# Altium PCB PA_8CH_CTRL.PcbDoc (part 3 of 11) (continued)
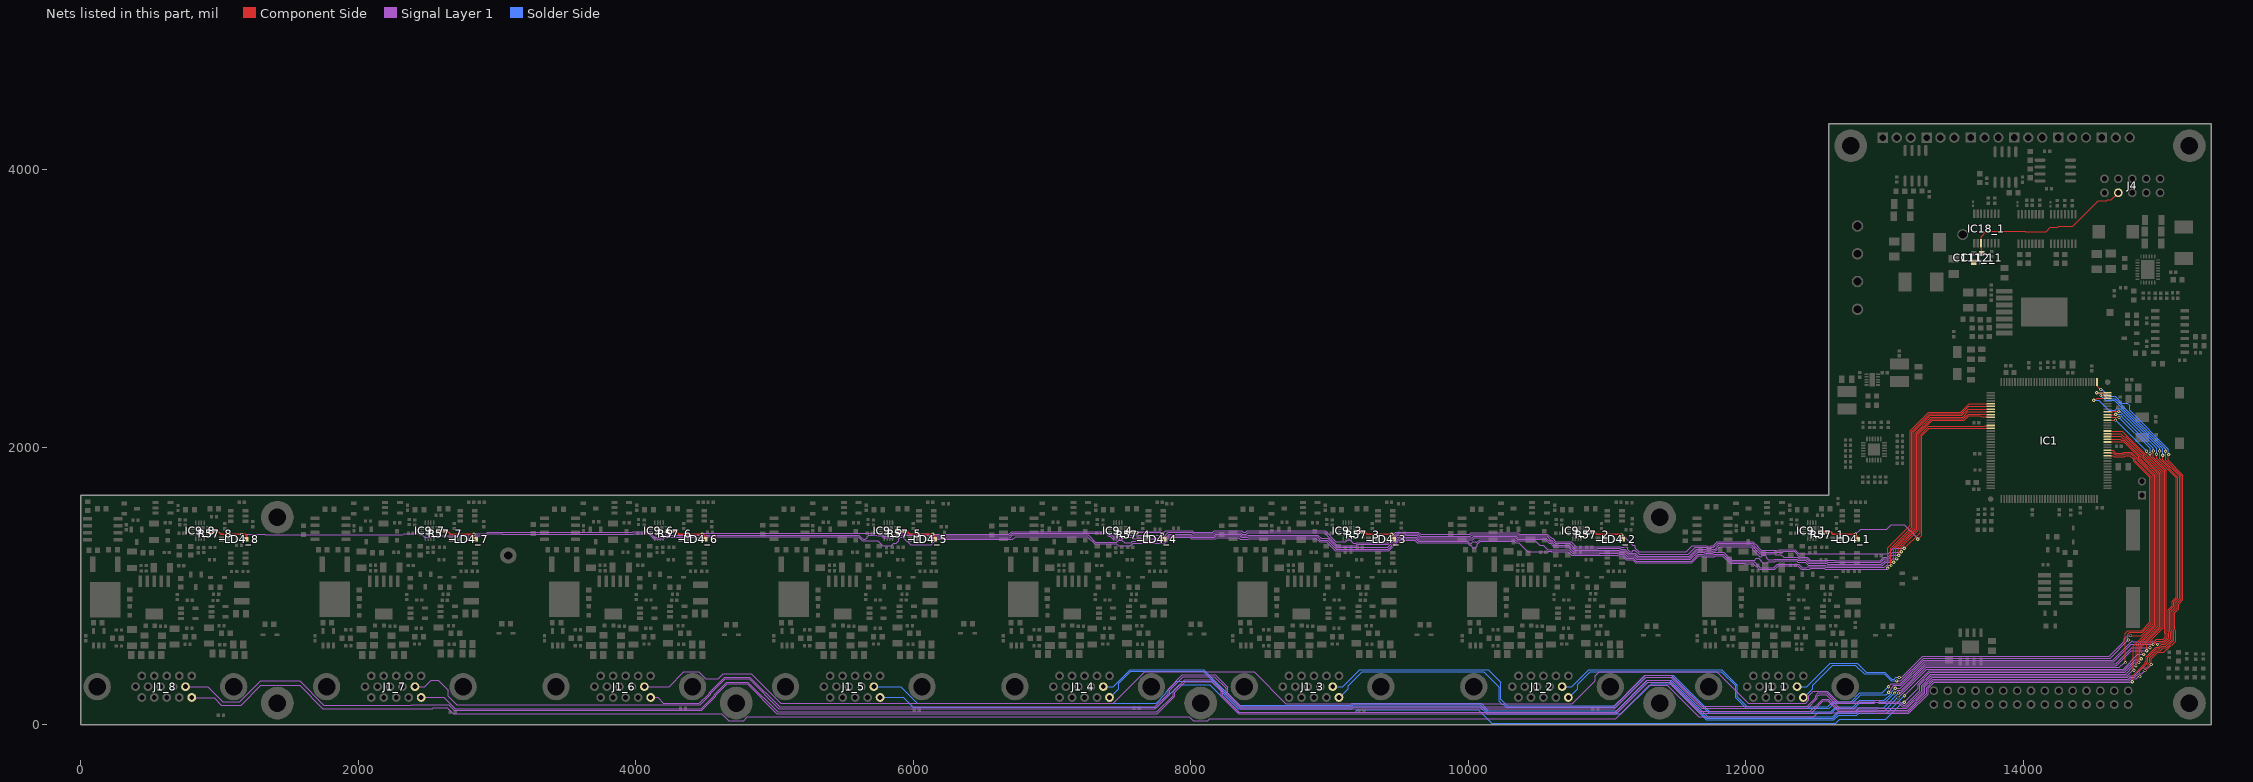
[diagram p5: the nets of this part, all layers, seen from the top]
## Part data (continued)
IC19: "3A SIMPLE SWITCHER® Power Module with 42V Maximum Input Voltage", Case=TO-PMOD-7, Manufacturer="TEXAS INSTRUMENTS", Author=GK, Bonding=No, ComponentHeight=4.67mm, Component Type=Standard, CreateDate=17.11.2016, Device=LMZ14203HTZX/NOPB, HelpURL=\\cern.ch\dfs\Applications\Altium\Datasheets\LMZ14201EXTTZE-NOPB.pdf, LatestRevisionDate=17.11.2016, Manufacturer Part Number=LMZ14203HTZX/NOPB, Mounted=Yes, PackageDescription="TO-PMOD 7 Pin Package, NATIONAL Package TZA07A, 1.70mm pitch; 9.85mm L X 10.16mm W X 4.67mm H body", Part Description="3A SIMPLE SWITCHER® Power Module with 42V Maximum Input Voltage", Part Number=LMZ14203HTZX/NOPB, Pin Count=8, PressFit=No, Sense=No, SMD=Yes, Socket=No
J1_1 J1_2 J1_3 J1_4 J1_5 J1_6 J1_7 J1_8: "Connector High Density D-sub 15 Female", Manufacturer="TYCO ELECTRONICS", Manufacturer Part Number=1932144-1, Part Number=TYCO_1932144-1, Author=GK, ComponentHeight=12.88mm, Component Type=Standard, CreateDate=17.03.2015, Family=HD-Sub, HelpURL=\\cern.ch\dfs\Applications\Altium\Datasheets\TYCO_5749768-1.pdf, LatestRevisionDate=17.03.2015, Mounted=Yes, Part Description="15 Female Contacts, Staight High Density D-SUB Connector With Boardlock and Threaded Insert (4-40 UNC), AMPLIMITE HD-22 Series", Pin Count=17, PressFit=No, Sense=No, SMD=No, Socket=No, Status=None
J2: library part 3M_N2530-6002RB, "Connector 30 Male", Manufacturer=3M, Manufacturer Part Number=N2530-6002RB, Author="CERN DEM JLC", ComponentHeight=10.03mm, Component Type=Standard, CreateDate=11.02.2009, Family="Header 30", HelpURL=\\cern.ch\dfs\Applications\Altium\Datasheets\3M_N2530-6002RB.pdf, LatestRevisionDate=11.08.2009, Mounted=Yes, Part Description="30 Contacts - Straight .100'' x .100'' Low Profile Four-Wall Header, 2500 Series", Part Number=3M_N2530-6002RB, Pin Count=30, PressFit=No, Sense=No, SMD=No, Socket=No, Status=None
J3: library part PHOENIX_1755752, "Connector 4 Male", Manufacturer="PHOENIX CONTACT", Manufacturer Part Number="1755752 (MSTBVA 2,5/ 4-G-5,08)", Author="CERN DEM JLC", ComponentHeight=12mm, Component Type=Standard, CreateDate=27.11.2012, HelpURL=\\cern.ch\dfs\Applications\Altium\Datasheets\PHOENIX_1755752.pdf, LatestRevisionDate=27.11.2012, Mounted=Yes, Part Description="12A, 250V, Pitch 5.08mm, 4 Positions Header", Part Number=PHOENIX_1755752, Pin Count=4, PressFit=No, Sense=No, SMD=No, Socket=No, Status=None
J4: library part 3M_N2510-6003RB, "Connector 10 Male", Manufacturer=3M, Manufacturer Part Number=N2510-6003RB, Author="CERN DEM JLC", ComponentHeight=10.03mm, Component Type=Standard, CreateDate=15.08.2011, Family="Header 10", HelpURL=\\cern.ch\dfs\Applications\Altium\Datasheets\3M_N2510-6003RB.pdf, LatestRevisionDate=15.08.2011, Mounted=Yes, Part Description="10 Contacts - Straight .100'' x .100'' Low Profile Four-Wall Header(Solder Tail 3.94mm), 2500 Series", Part Number=3M_N2510-6003RB, Pin Count=10, PressFit=No, Sense=No, SMD=No, Socket=No, Status=None
JP1: library part "CON_2x5 1.27 SMT Male", "1.27 mm dual row goldpin (Maritex)"
JP2: library part JUMPER, "Jumper", Supplier Part Number 1=1798942, Supplier 1=Farnell
L1 L2: library part IND_10UH_10%_MURATA-PS_8400, "Inductor With Core", Manufacturer="MURATA POWER SOLUTIONS", Manufacturer Part Number=84103C, Power=950mA, Resistance=0.24R, Tolerance=±10%, Author="CERN DEM JLC", ComponentHeight=2.9mm, Component Type=Standard, CreateDate=02.07.2012, HelpURL=\\cern.ch\dfs\Applications\Altium\Datasheets\IND_MURATA-PS_8400.pdf, LatestRevisionDate=02.07.2012, Mounted=Yes, Part Description="Miniature Surface Mount Power Inductor (8400 Serie)", Part Number=IND_10UH_10%_MURATA-PS_8400, Pin Count=2, Sense=No, SMD=Yes, Socket=No, Status=None
L3 L4 L5: library part IND2525_1.5UH_20%_VISHAY_IHLP-2525CZ, "Inductor With Core", Case=2525, Manufacturer="VISHAY DALE", Manufacturer Part Number=IHLP2525CZER6R8M01, Power=9A, Resistance=0.014R, Tolerance=±20%, Author="CERN DEM JLC", ComponentHeight=3mm, Component Type=Standard, CreateDate=24.10.2012, HelpURL=\\cern.ch\dfs\Applications\Altium\Datasheets\IND2525_VISHAY_IHLP-2525CZ.pdf, LatestRevisionDate=24.10.2012, Mounted=Yes, Note="Replace with IHLP2525CZER6R8M01", Part Description="Low Profile, High Current IHLP® Inductor", Part Number=IND2525_1.5UH_20%_VISHAY_IHLP-2525CZ, Pin Count=2, Sense=No, SMD=Yes, Socket=No, Status=None
LD1_1 LD1_2 LD1_3 LD1_4 LD1_5 LD1_6 LD1_7 LD1_8 LD2_1 LD2_2 LD2_3 LD2_4 LD2_5 LD2_6 LD2_7 LD2_8 LD3 LD12_1 LD12_2 LD12_3 LD12_4 LD12_5 LD12_6 LD12_7 LD12_8 LD16 LD17 LD18: library part LED_KINGBRIGHT_KPH-1608CGCK, "LED Green 1C 2A", Manufacturer=KINGBRIGHT, Manufacturer Part Number=KPH-1608CGCK, Author="CERN DEM JLC", Bonding=No, Color=Green, ComponentHeight=0.65mm, Component Type=Standard, CreateDate=03.07.2017, HelpURL=\\cern.ch\dfs\Applications\Altium\Datasheets\LED_KINGBRIGHT_KPH-1608CGCK.pdf, LatestRevisionDate=03.07.2017, Mounted=Yes, PackageDescription="SMT Green LED, Case 0603, Body L 1.6 x W 0.8mm H 0.65mm", Part Description="SMD Green LED, Case 1.6mmX0.8mm(0603), 0.65mm Thickness", Part Number=LED_KINGBRIGHT_KPH-1608CGCK, Pin Count=2, PressFit=No, Sense=No, SMD=Yes, Socket=No
LD4_1 LD4_2 LD4_3 LD4_4 LD4_5 LD4_6 LD4_7 LD4_8: library part LED_KINGBRIGHT_KPH-1608SURCK, "LED Red 1C 2A", Manufacturer=KINGBRIGHT, Manufacturer Part Number=KPH-1608SURCK, Author="CERN DEM JLC", Bonding=No, Color="Hyper Red", ComponentHeight=0.65mm, Component Type=Standard, CreateDate=03.07.2017, HelpURL=\\cern.ch\dfs\Applications\Altium\Datasheets\LED_KINGBRIGHT_KPH-1608SURCK.pdf, LatestRevisionDate=03.07.2017, Mounted=Yes, PackageDescription="SMT Hyper Red LED, Case 0603, Body L 1.6 x W 0.8mm H 0.65mm", Part Description="SMD Hyper Red LED, Case 1.6mmX0.8mm(0603), 0.65mm Thickness", Part Number=LED_KINGBRIGHT_KPH-1608SURCK, Pin Count=2, PressFit=No, Sense=No, SMD=Yes, Socket=No
LD9 LD10 LD11 LD19: library part "LED_OSRAM_LG L29K-G2J1-24-Z", "LED Green 1C 2A", Case=0603, Manufacturer=OSRAM, Manufacturer Part Number="LG L29K-G2J1-24-Z", Author="CERN DEM JLC", Bonding=No, Color=Green, ComponentHeight=0.67mm, Component Type=Standard, CreateDate=24.04.2012, HelpURL=\\cern.ch\dfs\Applications\Altium\Datasheets\LED_OSRAM_LGL29K.pdf, LatestRevisionDate=24.04.2012, Mounted=Yes, PackageDescription="Green Chip LED, 2-Leads, Body 1.7x0.8mm, IPC Medium Density", Part Description="Surface Mount Green LED (0603 Case)", Part Number="LED_OSRAM_LG L29K-G2J1-24-Z", Pin Count=2, PressFit=No, Sense=No, SMD=Yes, Socket=No
PB1: library part PB_TYCO_FSMSM, "Push-Button Switch SPDT", Manufacturer="TYCO ELECTRONICS", Manufacturer Part Number="FSMSM or 1437566-3", Author="CERN DEM JLC", ComponentHeight=4.3mm, Component Type=Standard, CreateDate=30.06.2008, Family="Push Button", HelpURL=\\cern.ch\dfs\Applications\Altium\Datasheets\PB_TYCO_FSMSM.pdf, LatestRevisionDate=21.06.2012, Mounted=Yes, PackageDescription="Body 3.5x6.0mm, Pushbutton Switch,  TYCO ALCOSWITCH FSMSM Serie", Part Description="12VDC 50mA SPST Tactile  Push-Button Switch", Part Number=PB_TYCO_FSMSM, Pin Count=2, PressFit=No, Sense=No, SMD=Yes, Socket=No, Status=None
Q1: library part XTAL_8MHZ_TXC_7A-8.000MAAE-T, "Quartz Crystal", Manufacturer="TXC CORPORATION", Manufacturer Part Number=7A-8.000MAAE-T, Author="CERN DEM JLC", Bonding=No, ComponentHeight=1.2mm, Component Type=Standard, CreateDate=09.10.2014, HelpURL=\\cern.ch\dfs\Applications\Altium\Datasheets\XTAL_TXC_7A.pdf, LatestRevisionDate=12.11.2014, Mounted=Yes, PackageDescription="2 Pins, 3.2x5mm, SMD Glass Seam Sealing Crystal, 7A Serie", Part Description="Tolerance: ±30ppm, Stability: ±30ppm, -20°C to +70°C, 12pF, SMD Glass Seam Sealing Crystal, 7A Series", Part Number=XTAL_8MHZ_TXC_7A-8.000MAAE-T, Pin Count=2, PressFit=No, Sense=No, SMD=Yes, Socket=No
R1 R2 R3 R4 R6 R11_1 R11_2 R11_3 R11_4 R11_5 R11_6 R11_7 R11_8 R15 R21 R22 R23 R24 R25 R32_1 R32_2 R32_3 R32_4 R32_5 R32_6 R32_7 R32_8 R34_1 R34_2 R34_3 R34_4 R34_5 R34_6 R34_7 R34_8 R40_1 R40_2 R40_3 R40_4 R40_5 R40_6 R40_7 R40_8 R50_1 R50_2 R50_3 R50_4 R50_5 R50_6 R50_7 R50_8 R51_1 R51_2 R51_3 R51_4 R51_5 R51_6 R51_7 R51_8 R52_1 R52_2 R52_3 R52_4 R52_5 R52_6 R52_7 R52_8 R57_1 R57_2 R57_3 R57_4 R57_5 R57_6 R57_7 R57_8 R59_1 R59_2 R59_3 R59_4 R59_5 R59_6 R59_7 R59_8 R85_1 R85_2 R85_3 R85_4 R85_5 R85_6 R85_7 R85_8 R86_1 R86_2 R86_3 R86_4 R86_5 R86_6 R86_7 R86_8 R88_1 R88_2 R88_3 R88_4 R88_5 R88_6 R88_7 R88_8 R89_1 R89_2 R89_3 R89_4 R89_5 R89_6 R89_7 R89_8 R92 R93 R104_1 R104_2 R104_3 R104_4 R104_5 R104_6 R104_7 R104_8 R108 R109 R112 R113 R147_1 R147_2 R147_3 R148_1 R148_2 R148_3 R149_1 R149_2 R149_3 R150_1 R150_2 R150_3: library part R0402_10K_1%_0.0625W_100PPM, "Resistor - 1%", Case=0402, Manufacturer=GENERIC, Manufacturer1 ComponentHeight=0.4mm, Manufacturer1 Example="YAGEO PHYCOMP", Manufacturer1 Part Number=232270671003L, Power=0.0625W, Tolerance=±1%, Author="CERN DEM JLC", Component Type=Standard, HelpURL=\\cern.ch\dfs\Applications\Altium\Datasheets\R0402_Phycomp_RC0402.pdf, Manufacturer Part Number=R0402_10K_1%_0.0625W_100PPM, Mounted=Yes, Part Description="General Purpose Thick Film Chip Resistor", Part Number=R0402_10K_1%_0.0625W_100PPM, Pin Count=2, SMD=Yes, Socket=No, Status="Not recommended", TC=±100ppm/°C
  R1 R2 R3 R4 R6 R11_1 R11_2 R11_3 R11_4 R11_5 R11_6 R11_7 R11_8 R21 R22 R23 R24 R25 R32_1 R32_2 R32_3 R32_4 R32_5 R32_6 R32_7 R32_8 R34_1 R34_2 R34_3 R34_4 R34_5 R34_6 R34_7 R34_8 R40_1 R40_2 R40_3 R40_4 R40_5 R40_6 R40_7 R40_8 R50_1 R50_2 R50_3 R50_4 R50_5 R50_6 R50_7 R50_8 R51_1 R51_2 R51_3 R51_4 R51_5 R51_6 R51_7 R51_8 R52_1 R52_2 R52_3 R52_4 R52_5 R52_6 R52_7 R52_8 R57_1 R57_2 R57_3 R57_4 R57_5 R57_6 R57_7 R57_8 R59_1 R59_2 R59_3 R59_4 R59_5 R59_6 R59_7 R59_8 R85_1 R85_2 R85_3 R85_4 R85_5 R85_6 R85_7 R85_8 R86_1 R86_2 R86_3 R86_4 R86_5 R86_6 R86_7 R86_8 R88_1 R88_2 R88_3 R88_4 R88_5 R88_6 R88_7 R88_8 R89_1 R89_2 R89_3 R89_4 R89_5 R89_6 R89_7 R89_8 R92 R93 R104_1 R104_2 R104_3 R104_4 R104_5 R104_6 R104_7 R104_8 R108 R109 R112 R113 R147_1 R147_2 R147_3 R148_1 R148_2 R148_3 R149_1 R149_2 R149_3 R150_1 R150_2 R150_3: CreateDate=2007-12-03, LatestRevisionDate=2012-10-17, Table="Resistors SMD"
  R15: CreateDate=03.12.2007, LatestRevisionDate=17.10.2012, Sense=No
R5: library part R0402_49R9_1%_0.0625W_100PPM, "Resistor - 1%", Case=0402, Manufacturer=GENERIC, Manufacturer1 ComponentHeight=0.4mm, Manufacturer1 Example="YAGEO PHYCOMP", Manufacturer1 Part Number="232270674999L or RC0402FR-0749R9L", Power=0.0625W, Tolerance=±1%, Author="CERN DEM JLC", Component Type=Standard, CreateDate=2012-10-24, HelpURL=\\cern.ch\dfs\Applications\Altium\Datasheets\R0402_Phycomp_RC0402.pdf, LatestRevisionDate=2012-10-24, Manufacturer Part Number=R0402_49R9_1%_0.0625W_100PPM, Mounted=Yes, Part Description="General Purpose Thick Film Chip Resistor", Part Number=R0402_49R9_1%_0.0625W_100PPM, Pin Count=2, SMD=Yes, Socket=No, Status="Not recommended", Table="Resistors SMD", TC=±100ppm/°C
R7_1 R7_2 R7_3 R7_4 R7_5 R7_6 R7_7 R7_8 R12_1 R12_2 R12_3 R12_4 R12_5 R12_6 R12_7 R12_8 R17_1 R17_2 R17_3 R17_4 R17_5 R17_6 R17_7 R17_8 R87_1 R87_2 R87_3 R87_4 R87_5 R87_6 R87_7 R87_8 R91 R110: library part R0603_56K_1%_0.1W_100PPM, "Resistor - 1%", Case=0603, Manufacturer=GENERIC, Manufacturer1 ComponentHeight=0.55mm, Manufacturer1 Example="NIC COMPONENT", Manufacturer1 Part Number=NRC06F5602TRF, Power=0.1W, Tolerance=±1%, Author="CERN DEM JLC", Component Type=Standard, CreateDate=03.12.2007, HelpURL=\\cern.ch\dfs\Applications\Altium\Datasheets\R0603_NIC_NRC.pdf, LatestRevisionDate=13.03.2008, Manufacturer Part Number=R0603_56K_1%_0.1W_100PPM, Mounted=Yes, Part Description="General Purpose Thick Film Chip Resistor", Part Number=R0603_56K_1%_0.1W_100PPM, Pin Count=2, Sense=No, SMD=Yes, Socket=No, Status=Preferred, TC=±100ppm/°C
R8_1 R8_2 R8_3 R8_4 R8_5 R8_6 R8_7 R8_8: library part R0603_16K_1%_0.1W_100PPM, "Resistor - 1%", Case=0603, Manufacturer=GENERIC, Manufacturer1 ComponentHeight=0.55mm, Manufacturer1 Example="NIC COMPONENT", Manufacturer1 Part Number=NRC06F1602TRF, Power=0.1W, Tolerance=±1%, Author="CERN DEM JLC", Component Type=Standard, CreateDate=03.12.2007, HelpURL=\\cern.ch\dfs\Applications\Altium\Datasheets\R0603_NIC_NRC.pdf, LatestRevisionDate=13.03.2008, Manufacturer Part Number=R0603_16K_1%_0.1W_100PPM, Mounted=Yes, Part Description="General Purpose Thick Film Chip Resistor", Part Number=R0603_16K_1%_0.1W_100PPM, Pin Count=2, Sense=No, SMD=Yes, Socket=No, Status=Preferred, TC=±100ppm/°C
R9_1 R9_2 R9_3 R9_4 R9_5 R9_6 R9_7 R9_8 R29_1 R29_2 R29_3 R29_4 R29_5 R29_6 R29_7 R29_8: library part R0603_1K5_1%_0.1W_100PPM, "Resistor - 1%", Case=0603, Manufacturer=GENERIC, Manufacturer1 ComponentHeight=0.55mm, Manufacturer1 Example="NIC COMPONENT", Manufacturer1 Part Number=NRC06F1501TRF, Power=0.1W, Tolerance=±1%, Author="CERN DEM JLC", Component Type=Standard, CreateDate=03.12.2007, HelpURL=\\cern.ch\dfs\Applications\Altium\Datasheets\R0603_NIC_NRC.pdf, LatestRevisionDate=13.03.2008, Manufacturer Part Number=R0603_1K5_1%_0.1W_100PPM, Mounted=Yes, Part Description="General Purpose Thick Film Chip Resistor", Part Number=R0603_1K5_1%_0.1W_100PPM, Pin Count=2, Sense=No, SMD=Yes, Socket=No, Status=Preferred, TC=±100ppm/°C
R10_1 R10_2 R10_3 R10_4 R10_5 R10_6 R10_7 R10_8: library part R0402_12K_1%_0.0625W_100PPM, "Resistor - 1%", Case=0402, Manufacturer=GENERIC, Manufacturer1 ComponentHeight=0.4mm, Manufacturer1 Example="YAGEO PHYCOMP", Manufacturer1 Part Number=232270671203L, Power=0.0625W, Tolerance=±1%, Author="CERN DEM JLC", Component Type=Standard, CreateDate=03.12.2007, HelpURL=\\cern.ch\dfs\Applications\Altium\Datasheets\R0402_Phycomp_RC0402.pdf, LatestRevisionDate=17.10.2012, Manufacturer Part Number=R0402_12K_1%_0.0625W_100PPM, Mounted=Yes, Part Description="General Purpose Thick Film Chip Resistor", Part Number=R0402_12K_1%_0.0625W_100PPM, Pin Count=2, Sense=No, SMD=Yes, Socket=No, Status="Not recommended", TC=±100ppm/°C
R13_1 R13_2 R13_3 R13_4 R13_5 R13_6 R13_7 R13_8: library part R0402_3K3_1%_0.0625W_100PPM, "Resistor - 1%", Case=0402, Manufacturer=GENERIC, Manufacturer1 ComponentHeight=0.4mm, Manufacturer1 Example="YAGEO PHYCOMP", Manufacturer1 Part Number=232270673302L, Power=0.0625W, Tolerance=±1%, Author="CERN DEM JLC", Component Type=Standard, CreateDate=03.12.2007, HelpURL=\\cern.ch\dfs\Applications\Altium\Datasheets\R0402_Phycomp_RC0402.pdf, LatestRevisionDate=17.10.2012, Manufacturer Part Number=R0402_3K3_1%_0.0625W_100PPM, Mounted=Yes, Part Description="General Purpose Thick Film Chip Resistor", Part Number=R0402_3K3_1%_0.0625W_100PPM, Pin Count=2, Sense=No, SMD=Yes, Socket=No, Status="Not recommended", TC=±100ppm/°C
R14 R18 R66 R67 R69 R83: library part R0402_0R_JUMPER, "Resistor", Case=0402, Manufacturer=GENERIC, Manufacturer1 ComponentHeight=0.4mm, Manufacturer1 Example="YAGEO PHYCOMP", Manufacturer1 Part Number=232270591001L, Author="CERN DEM JLC", Component Type=Standard, CreateDate=03.12.2007, HelpURL=\\cern.ch\dfs\Applications\Altium\Datasheets\R0402_Phycomp_RC0402.pdf, LatestRevisionDate=17.10.2012, Manufacturer Part Number=R0402_0R_JUMPER, Part Description="1A (0.05R Max DC Resistance) Zero Ohm Jumper", Part Number=R0402_0R_JUMPER, Pin Count=2, Sense=No, SMD=Yes, Socket=No, Status="Not recommended"
  R14 R18: Mounted=No
  R66 R67 R69 R83: Mounted=Yes
R16: library part R0402_1M_1%_0.0625W_100PPM, "Resistor - 1%", Case=0402, Manufacturer=GENERIC, Manufacturer1 ComponentHeight=0.4mm, Manufacturer1 Example="YAGEO PHYCOMP", Manufacturer1 Part Number=232270671005L, Power=0.0625W, Tolerance=±1%, Author="CERN DEM JLC", Component Type=Standard, CreateDate=03.12.2007, HelpURL=\\cern.ch\dfs\Applications\Altium\Datasheets\R0402_Phycomp_RC0402.pdf, LatestRevisionDate=17.10.2012, Manufacturer Part Number=R0402_1M_1%_0.0625W_100PPM, Mounted=Yes, Part Description="General Purpose Thick Film Chip Resistor", Part Number=R0402_1M_1%_0.0625W_100PPM, Pin Count=2, Sense=No, SMD=Yes, Socket=No, Status="Not recommended", TC=±100ppm/°C
R19 R27: library part R0402_51K_1%_0.0625W_100PPM, "Resistor - 1%", Case=0402, Manufacturer=GENERIC, Manufacturer1 ComponentHeight=0.4mm, Manufacturer1 Example="YAGEO PHYCOMP", Manufacturer1 Part Number=232270674703L, Power=0.0625W, Tolerance=±1%, Author="CERN DEM JLC", Component Type=Standard, CreateDate=03.12.2007, HelpURL=\\cern.ch\dfs\Applications\Altium\Datasheets\R0402_Phycomp_RC0402.pdf, LatestRevisionDate=17.10.2012, Manufacturer Part Number=R0402_51K_1%_0.0625W_100PPM, Mounted=Yes, Part Description="General Purpose Thick Film Chip Resistor", Part Number=R0402_51K_1%_0.0625W_100PPM, Pin Count=2, Sense=No, SMD=Yes, Socket=No, Status="Not recommended", TC=±100ppm/°C
R20 R26: library part R0402_160K_1%_0.0625W_100PPM, "Resistor - 1%", Case=0402, Manufacturer=GENERIC, Manufacturer1 ComponentHeight=0.4mm, Manufacturer1 Example="YAGEO PHYCOMP", Manufacturer1 Part Number=232270671604L, Power=0.0625W, Tolerance=±1%, Author="CERN DEM JLC", Component Type=Standard, CreateDate=03.12.2007, HelpURL=\\cern.ch\dfs\Applications\Altium\Datasheets\R0402_Phycomp_RC0402.pdf, LatestRevisionDate=17.10.2012, Manufacturer Part Number=R0402_160K_1%_0.0625W_100PPM, Mounted=Yes, Part Description="General Purpose Thick Film Chip Resistor", Part Number=R0402_160K_1%_0.0625W_100PPM, Pin Count=2, PressFit=No, Sense=No, SMD=Yes, Socket=No, Status="Not Recommended", TC=±100ppm/°C
R28 R60 R61 R62 R63 R64 R65 R68 R70 R71 R72 R73 R74 R75 R76 R77 R78 R79 R80 R99 R100 R101 R102 R103 R111: library part R0402_2K2_1%_0.0625W_100PPM, "Resistor - 1%", Case=0402, Manufacturer=GENERIC, Manufacturer1 ComponentHeight=0.4mm, Manufacturer1 Example="YAGEO PHYCOMP", Manufacturer1 Part Number=232270672202L, Power=0.0625W, Tolerance=±1%, Author="CERN DEM JLC", Component Type=Standard, CreateDate=03.12.2007, HelpURL=\\cern.ch\dfs\Applications\Altium\Datasheets\R0402_Phycomp_RC0402.pdf, LatestRevisionDate=17.10.2012, Manufacturer Part Number=R0402_2K2_1%_0.0625W_100PPM, Mounted=Yes, Part Description="General Purpose Thick Film Chip Resistor", Part Number=R0402_2K2_1%_0.0625W_100PPM, Pin Count=2, Sense=No, SMD=Yes, Socket=No, Status="Not recommended", TC=±100ppm/°C
R30: library part R0603_33K_1%_0.1W_100PPM, "Resistor - 1%", Case=0603, Manufacturer=GENERIC, Manufacturer1 ComponentHeight=0.55mm, Manufacturer1 Example="NIC COMPONENT", Manufacturer1 Part Number=NRC06F3302TRF, Power=0.1W, Tolerance=±1%, Author="CERN DEM JLC", Component Type=Standard, CreateDate=03.12.2007, HelpURL=\\cern.ch\dfs\Applications\Altium\Datasheets\R0603_NIC_NRC.pdf, LatestRevisionDate=13.03.2008, Manufacturer Part Number=R0603_33K_1%_0.1W_100PPM, Mounted=Yes, Part Description="General Purpose Thick Film Chip Resistor", Part Number=R0603_33K_1%_0.1W_100PPM, Pin Count=2, PressFit=No, Sense=No, SMD=Yes, Socket=No, Status=Preferred, TC=±100ppm/°C
R31: library part R0603_4K7_1%_0.1W_100PPM, "Resistor - 1%", Case=0603, Manufacturer=GENERIC, Manufacturer1 ComponentHeight=0.55mm, Manufacturer1 Example="NIC COMPONENT", Manufacturer1 Part Number=NRC06F4701TRF, Power=0.1W, Tolerance=±1%, Author="CERN DEM JLC", Component Type=Standard, CreateDate=03.12.2007, HelpURL=\\cern.ch\dfs\Applications\Altium\Datasheets\R0603_NIC_NRC.pdf, LatestRevisionDate=13.03.2008, Manufacturer Part Number=R0603_4K7_1%_0.1W_100PPM, Mounted=Yes, Part Description="General Purpose Thick Film Chip Resistor", Part Number=R0603_4K7_1%_0.1W_100PPM, Pin Count=2, PressFit=No, Sense=No, SMD=Yes, Socket=No, Status=Preferred, TC=±100ppm/°C
R33 R82: library part R0603_82K_1%_0.1W_100PPM, "Resistor - 1%", Case=0603, Manufacturer=GENERIC, Manufacturer1 ComponentHeight=0.55mm, Manufacturer1 Example="NIC COMPONENT", Manufacturer1 Part Number=NRC06F8202TRF, Power=0.1W, Tolerance=±1%, Author="CERN DEM JLC", Component Type=Standard, CreateDate=03.12.2007, HelpURL=\\cern.ch\dfs\Applications\Altium\Datasheets\R0603_NIC_NRC.pdf, LatestRevisionDate=13.03.2008, Manufacturer Part Number=R0603_82K_1%_0.1W_100PPM, Mounted=Yes, Part Description="General Purpose Thick Film Chip Resistor", Part Number=R0603_82K_1%_0.1W_100PPM, Pin Count=2, Sense=No, SMD=Yes, Socket=No, Status=Preferred, TC=±100ppm/°C
  R33: PressFit=No
R37_1 R37_2 R37_3 R37_4 R37_5 R37_6 R37_7 R37_8: library part R1206_0R02_1%_1W_150PPM, "Resistor - 1%", Case=1206, Manufacturer=PANASONIC, Manufacturer Part Number=ERJ8BWFR020V, Power=1W, Tolerance=±1%, Author="CERN DEM JLC", ComponentHeight=0.8mm, Component Type=Standard, CreateDate=03.09.2012, HelpURL=\\cern.ch\dfs\Applications\Altium\Datasheets\R1206_PANASONIC_ERJ8BW.pdf, LatestRevisionDate=03.09.2012, Mounted=Yes, Part Description="Low Value Thick Film Chip Resistor", Part Number=R1206_0R02_1%_1W_150PPM, Pin Count=2, Sense=No, SMD=Yes, Socket=No, Status="Not recommended", TC=±150ppm/°C
R38_1 R38_2 R38_3 R38_4 R38_5 R38_6 R38_7 R38_8: library part R1206_4R7_1%_0.25W_200PPM, "Resistor - 1%", Case=1206, Manufacturer=GENERIC, Manufacturer1 ComponentHeight=0.65mm, Manufacturer1 Example="YAGEO PHYCOMP", Manufacturer1 Part Number="232272464708L or RC1206FR-074R7L", Power=0.25W, Tolerance=±1%, Author="CERN DEM JLC", Component Type=Standard, CreateDate=03.12.2007, HelpURL=\\cern.ch\dfs\Applications\Altium\Datasheets\R1206_Phycomp_RC1206.pdf, LatestRevisionDate=17.10.2012, Manufacturer Part Number=R1206_4R7_1%_0.25W_200PPM, Mounted=Yes, Part Description="General Purpose Thick Film Chip Resistor", Part Number=R1206_4R7_1%_0.25W_200PPM, Pin Count=2, Sense=No, SMD=Yes, Socket=No, Status=Preferred, TC=±200ppm/°C
R39_1 R39_2 R39_3 R39_4 R39_5 R39_6 R39_7 R39_8: library part R1206_0R1_1%_0.25W_100PPM_YAGEO_PT, "Resistor - 1%", Case=1206, Manufacturer="YAGEO PHYCOMP", Manufacturer Part Number=PT1206FR-070R1L, Power=0.25W, Tolerance=±1%, Author="CERN DEM JMW", ComponentHeight=0.65mm, Component Type=Standard, CreateDate=06.07.2015, HelpURL=\\cern.ch\dfs\Applications\Altium\Datasheets\R1206_YAGEO_PT.pdf, LatestRevisionDate=06.07.2015, Mounted=Yes, Part Description="Current Sensor, Low TCR Chip Resistor", Part Number=R1206_0R1_1%_0.25W_100PPM_YAGEO_PT, Pin Count=2, Sense=No, SMD=Yes, Socket=No, Status=None, TC=±100ppm/°C
R43_1 R43_2 R43_3 R43_4 R43_5 R43_6 R43_7 R43_8 R44_1 R44_2 R44_3 R44_4 R44_5 R44_6 R44_7 R44_8 R46_1 R46_2 R46_3 R46_4 R46_5 R46_6 R46_7 R46_8 R47_1 R47_2 R47_3 R47_4 R47_5 R47_6 R47_7 R47_8 R48_1 R48_2 R48_3 R48_4 R48_5 R48_6 R48_7 R48_8 R49_1 R49_2 R49_3 R49_4 R49_5 R49_6 R49_7 R49_8 R90_1 R90_2 R90_3 R90_4 R90_5 R90_6 R90_7 R90_8: library part R0402_82R_1%_0.0625W_100PPM, "Resistor - 1%", Case=0402, Manufacturer=GENERIC, Manufacturer1 ComponentHeight=0.4mm, Manufacturer1 Example="YAGEO PHYCOMP", Manufacturer1 Part Number=232270678209L, Power=0.0625W, Tolerance=±1%, Author="CERN DEM JLC", Component Type=Standard, CreateDate=03.12.2007, HelpURL=\\cern.ch\dfs\Applications\Altium\Datasheets\R0402_Phycomp_RC0402.pdf, LatestRevisionDate=17.10.2012, Manufacturer Part Number=R0402_82R_1%_0.0625W_100PPM, Mounted=Yes, Part Description="General Purpose Thick Film Chip Resistor", Part Number=R0402_82R_1%_0.0625W_100PPM, Pin Count=2, Sense=No, SMD=Yes, Socket=No, Status="Not recommended", TC=±100ppm/°C
R45_1 R45_2 R45_3 R45_4 R45_5 R45_6 R45_7 R45_8 R53_1 R53_2 R53_3 R53_4 R53_5 R53_6 R53_7 R53_8 R54_1 R54_2 R54_3 R54_4 R54_5 R54_6 R54_7 R54_8 R55_1 R55_2 R55_3 R55_4 R55_5 R55_6 R55_7 R55_8 R56_1 R56_2 R56_3 R56_4 R56_5 R56_6 R56_7 R56_8 R84_1 R84_2 R84_3 R84_4 R84_5 R84_6 R84_7 R84_8 R107_1 R107_2 R107_3 R107_4 R107_5 R107_6 R107_7 R107_8: library part R0603_330R_1%_0.1W_100PPM, "Resistor - 1%", Case=0603, Manufacturer=GENERIC, Manufacturer1 ComponentHeight=0.55mm, Manufacturer1 Example="NIC COMPONENT", Manufacturer1 Part Number=NRC06F3300TRF, Power=0.1W, Tolerance=±1%, Author="CERN DEM JLC", Component Type=Standard, CreateDate=2007-12-03, HelpURL=\\cern.ch\dfs\Applications\Altium\Datasheets\R0603_NIC_NRC.pdf, LatestRevisionDate=2008-03-13, Manufacturer Part Number=R0603_330R_1%_0.1W_100PPM, Mounted=Yes, Part Description="General Purpose Thick Film Chip Resistor", Part Number=R0603_330R_1%_0.1W_100PPM, Pin Count=2, SMD=Yes, Socket=No, Status=Preferred, Table="Resistors SMD", TC=±100ppm/°C
R58_1 R58_2 R58_3 R58_4 R58_5 R58_6 R58_7 R58_8: library part R0402_15K_1%_0.0625W_100PPM, "Resistor - 1%", Case=0402, Manufacturer=GENERIC, Manufacturer1 ComponentHeight=0.4mm, Manufacturer1 Example=VISHAY, Manufacturer1 Part Number=CRCW040215K0FKED, Power=0.0625W, Tolerance=±1%, Author="CERN DEM JMW", Component Type=Standard, CreateDate=06.07.2015, HelpURL="\\cern.ch\dfs\Applications\Altium\Datasheets\R0402_VISHAY_CRCW e3.pdf", LatestRevisionDate=06.07.2015, Manufacturer Part Number=R0402_15K_1%_0.0625W_100PPM, Mounted=Yes, Part Description="General Purpose Thick Film Chip Resistor", Part Number=R0402_15K_1%_0.0625W_100PPM, Pin Count=2, PressFit=No, Sense=No, SMD=Yes, Socket=No, Status=None, TC=±100ppm/°C
R81: library part R0603_270K_1%_0.1W_100PPM, "Resistor - 1%", Case=0603, Manufacturer=GENERIC, Manufacturer1 ComponentHeight=0.55mm, Manufacturer1 Example="NIC COMPONENT", Manufacturer1 Part Number=NRC06F2703TRF, Power=0.1W, Tolerance=±1%, Author="CERN DEM JLC", Component Type=Standard, CreateDate=03.12.2007, HelpURL=\\cern.ch\dfs\Applications\Altium\Datasheets\R0603_NIC_NRC.pdf, LatestRevisionDate=13.03.2008, Manufacturer Part Number=R0603_270K_1%_0.1W_100PPM, Mounted=Yes, Part Description="General Purpose Thick Film Chip Resistor", Part Number=R0603_270K_1%_0.1W_100PPM, Pin Count=2, Sense=No, SMD=Yes, Socket=No, Status=Preferred, TC=±100ppm/°C
R94: library part R0603_18K_1%_0.1W_100PPM, "Resistor - 1%", Case=0603, Manufacturer=GENERIC, Manufacturer1 ComponentHeight=0.55mm, Manufacturer1 Example="NIC COMPONENT", Manufacturer1 Part Number=NRC06F1802TRF, Power=0.1W, Tolerance=±1%, Author="CERN DEM JLC", Component Type=Standard, CreateDate=03.12.2007, HelpURL=\\cern.ch\dfs\Applications\Altium\Datasheets\R0603_NIC_NRC.pdf, LatestRevisionDate=13.03.2008, Manufacturer Part Number=R0603_18K_1%_0.1W_100PPM, Mounted=Yes, Part Description="General Purpose Thick Film Chip Resistor", Part Number=R0603_18K_1%_0.1W_100PPM, Pin Count=2, Sense=No, SMD=Yes, Socket=No, Status=Preferred, TC=±100ppm/°C
R95: library part R0603_13K_1%_0.1W_100PPM, "Resistor - 1%", Case=0603, Manufacturer=GENERIC, Manufacturer1 ComponentHeight=0.55mm, Manufacturer1 Example="NIC COMPONENT", Manufacturer1 Part Number=NRC06F1302TRF, Power=0.1W, Tolerance=±1%, Author="CERN DEM JLC", Component Type=Standard, CreateDate=03.12.2007, HelpURL=\\cern.ch\dfs\Applications\Altium\Datasheets\R0603_NIC_NRC.pdf, LatestRevisionDate=13.03.2008, Manufacturer Part Number=R0603_13K_1%_0.1W_100PPM, Mounted=Yes, Part Description="General Purpose Thick Film Chip Resistor", Part Number=R0603_13K_1%_0.1W_100PPM, Pin Count=2, Sense=No, SMD=Yes, Socket=No, Status=Preferred, TC=±100ppm/°C
R96: library part R0603_20K_1%_0.1W_100PPM, "Resistor - 1%", Case=0603, Manufacturer=GENERIC, Manufacturer1 ComponentHeight=0.55mm, Manufacturer1 Example="NIC COMPONENT", Manufacturer1 Part Number=NRC06F2002TRF, Power=0.1W, Tolerance=±1%, Author="CERN DEM JLC", Component Type=Standard, CreateDate=03.12.2007, HelpURL=\\cern.ch\dfs\Applications\Altium\Datasheets\R0603_NIC_NRC.pdf, LatestRevisionDate=13.03.2008, Manufacturer Part Number=R0603_20K_1%_0.1W_100PPM, Mounted=Yes, Part Description="General Purpose Thick Film Chip Resistor", Part Number=R0603_20K_1%_0.1W_100PPM, Pin Count=2, Sense=No, SMD=Yes, Socket=No, Status=Preferred, TC=±100ppm/°C
R97: library part R0603_1K_1%_0.1W_100PPM, "Resistor - 1%", Case=0603, Manufacturer=GENERIC, Manufacturer1 ComponentHeight=0.55mm, Manufacturer1 Example="NIC COMPONENT", Manufacturer1 Part Number=NRC06F1001TRF, Power=0.1W, Tolerance=±1%, Author="CERN DEM JLC", Component Type=Standard, CreateDate=03.12.2007, HelpURL=\\cern.ch\dfs\Applications\Altium\Datasheets\R0603_NIC_NRC.pdf, LatestRevisionDate=13.03.2008, Manufacturer Part Number=R0603_1K_1%_0.1W_100PPM, Mounted=Yes, Part Description="General Purpose Thick Film Chip Resistor", Part Number=R0603_1K_1%_0.1W_100PPM, Pin Count=2, Sense=No, SMD=Yes, Socket=No, Status=Preferred, TC=±100ppm/°C
R98: library part R0603_7K5_0.1%_0.063W_10PPM, "Resistor - 0.1%", Case=0603, Manufacturer=GENERIC, Manufacturer1 ComponentHeight=0.5mm, Manufacturer1 Example="TYCO HOLSWORTHY", Manufacturer1 Part Number=RN73C1J7K5BTDF, Power=0.063W, Tolerance=±0.1%, Author="CERN DEM JLC", Component Type=Standard, CreateDate=03.12.2007, HelpURL=\\cern.ch\dfs\Applications\Altium\Datasheets\R0603_Tyco_RN73.pdf, LatestRevisionDate=13.03.2008, Manufacturer Part Number=R0603_7K5_0.1%_0.063W_10PPM, Mounted=Yes, Part Description="Thin Film Chip Resistor", Part Number=R0603_7K5_0.1%_0.063W_10PPM, Pin Count=2, Sense=No, SMD=Yes, Socket=No, Status="Not recommended", TC=±10ppm
T1_1 T1_2 T1_3 T1_4 T1_5 T1_6 T1_7 T1_8: "PNP Transistor", Case=DPAK, Manufacturer="ON SEMICONDUCTOR", Author="CERN DEM JLC", Bonding=No, ComponentHeight=2.38mm, Component Type=Standard, CreateDate=28.11.2012, Device=MJD2955G, HelpURL=\\cern.ch\dfs\Applications\Altium\Datasheets\MJD2955G.pdf, LatestRevisionDate=28.11.2012, Manufacturer Part Number=MJD2955G, Mounted=Yes, PackageDescription="TO-252AA DPAK TO, 2.28mm pitch; 2 pin,9.905mm L X 6.095mm W X 2.39mm H body, IPC Medium Density", Part Description="60V 10A 20W PNP Power Transistor", Part Number=MJD2955G, Pin Count=3, PressFit=No, Sense=No, SMD=Yes, Socket=No
T2_1 T2_2 T2_3 T2_4 T2_5 T2_6 T2_7 T2_8 T3_1 T3_2 T3_3 T3_4 T3_5 T3_6 T3_7 T3_8 T6_1 T6_2 T6_3 T6_4 T6_5 T6_6 T6_7 T6_8: "N-CHANNEL MOSFET WITH DIODE", Case=SOT23-3, Manufacturer="ON SEMICONDUCTOR", Author="CERN DEM JLC", Bonding=No, ComponentHeight=1.11mm, Component Type=Standard, CreateDate=2009-03-23, Device=BSS138LT1G, HelpURL=\\cern.ch\dfs\Applications\Altium\Datasheets\BSS138LT1G.pdf, LatestRevisionDate=2009-03-23, Manufacturer Part Number=BSS138LT1G, Mounted=Yes, PackageDescription="SOT23 3-Leads, Pitch 0.95mm - Body 1.4x3mm, IPC Medium Density", Part Description="50V 200mA N-Channel Enhancement Mode Field-Effect Transistor", Part Number=BSS138LT1G, Pin Count=3, PressFit=No, SMD=Yes, Socket=No, Table=Transistors
T4_1 T4_2 T4_3: library part Q_IRF7304, "dual PMOS   20V 4,3A 2,0W 0,09R"
TP1: library part SMD_PAD_1.27X1.27MM, Author="CERN DEM JLC", ComponentHeight=0mm, Component Type="Standard (No BOM)", CreateDate=12.01.2008, Family="Test Point", HelpURL=Undefined, LatestRevisionDate=12.01.2008, Mounted=No, PackageDescription="1.27mm x 1.27mm PCB Copper Area (SMD Test Point)", Part Description="1.27mm x 1.27mm PCB Copper Area (SMD Test Point)", Part Number=SMD_PAD_1.27X1.27MM, Pin Count=1, Sense=No, SMD=Yes, Socket=No, Status=None
U1_1 U1_2 U1_3 U1_4 U1_5 U1_6 U1_7 U1_8: library part CMP-0322-00047-2, "High Efficiency Regulator Controller, 2 % Tolerance, 6 to 40 V, 0 to 70 degC, 8-pin SOIC (D), Green (RoHS & no Sb/Br)", Manufacturer="Texas Instruments", Tolerance(%)=2, Code_JEDEC=MS-012AA, ComponentLink1Description=Datasheet, ComponentLink1URL=http://www.ti.com/general/docs/lit/getliterature.tsp?genericPartNumber=UC3836&fileType=pdf, DatasheetVersion=SLUS383, Iq(Typ)(mA)=3.7, Mounting Technology="Surface Mount", PackageDescription="8-Pin Plastic Small Outline Integrated Circuit, 4.9 x 3.9 mm, Pitch 1.27 mm Pitch", PackageReference=D0008A, PackageVersion="revM, Jun-2011", PartNumber=UC3836D, SubFamily="LDO Controller", Vin(Max)(V)=40, Vin(Min)(V)=6, Vout Adj(Max)(V)=35, Vout Adj(Min)(V)=2.5

## Free pads (board coordinates)
  round 236.22 hole 125.98 unplated: 0(1417.32,1496.06) 1(1417.32,157.48) 2(4724.41,157.48) 3(8070.87,157.48) 4(11377.95,157.48) 5(15196.85,157.48) 6(15196.85,4173.23) 7(12755.91,4173.23) 8(11377.95,1496.06)
  round 118.11 hole 59.06: 9(3080.71,1220.47)
  round 78.74 hole 59.06: 12(13562.99,3533.46)

## Via types
v1: diameter 23.62, hole 11.81, Component Side to Solder Side, tented both sides, 1569 vias
v2: diameter 23.62, hole 11.81, Component Side to Solder Side, 328 vias
